# Altium PCB Ixora.PcbDoc (part 4 of 13) (continued)
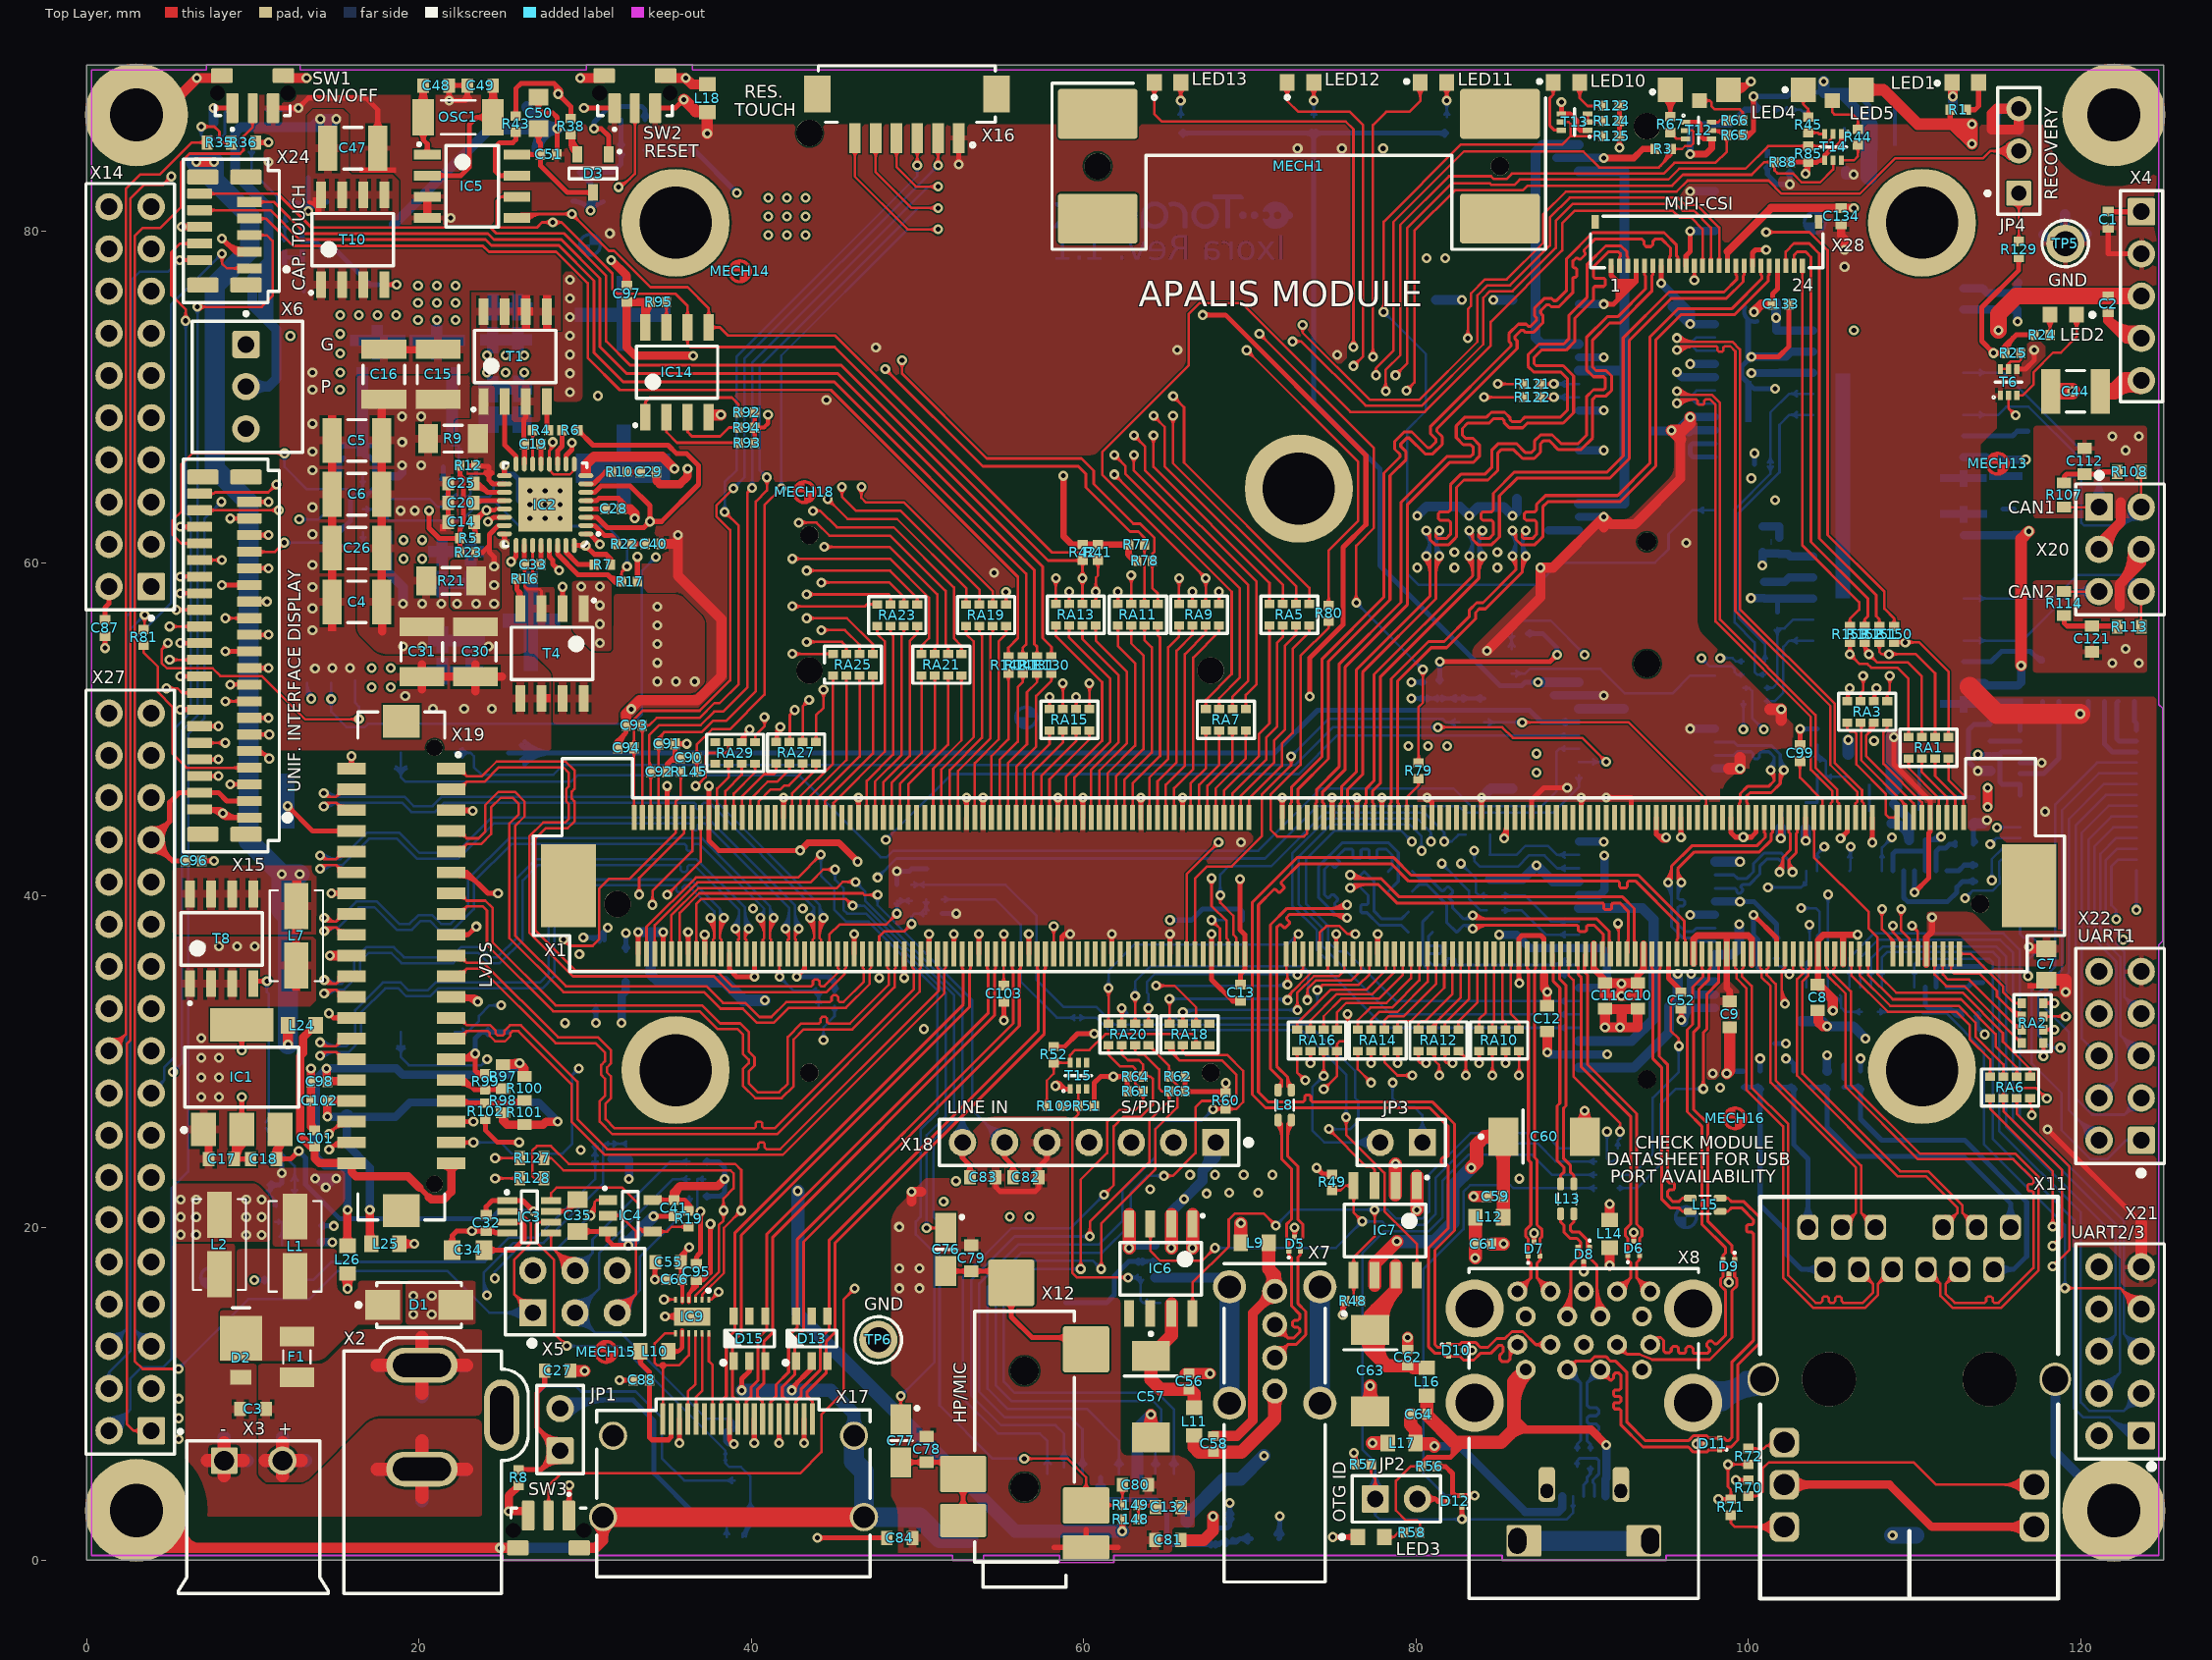
[diagram p0: Top Layer view]
## Nets (pads, with @x,y where several pads share a name; then routed paths per layer and width w, separated by ;. In a path a pad name is that pad's centre, name@x,y a point inside that pad or via, vN(x,y) a via of type N, cw(c..) or ccw(c..) an arc to the next point about the centre after c; other vN are vias at no path point) (continued)
CSI_D1_P: X1.151 X28.6 | length 56
  Top Layer w0.18: X1.151@75.45,44.7 75.45,45.542 75.515,45.607 75.515,46.549 76.414,47.448 76.414,53.595 80.834,58.014 ; v1@80.475,60.278 cw(c79.61,59.413) 80.834,59.413 ; v1@80.561,61.82 cw(c80.446,61.449) 80.834,61.449 ; v1@80.603,60.405 cw(c80.044,59.847) 80.834,59.847 ; v1@80.615,61.941 cw(c80.522,61.643) 80.834,61.643 ; v1(80.624,60.427) 80.834,60.217 80.834,58.014 ; v1(80.624,61.969) 80.834,61.759 80.834,61.438 81.149,61.123 81.973,61.123 82.336,61.486 82.444,61.594 82.444,64.573 82.881,65.01 84.329,65.01 84.927,65.607 84.927,66.649 85.116,66.838 85.888,66.838 86.415,66.311 87.113,66.311 87.494,66.692 87.494,67.201 87.658,67.365 88.049,67.365 88.576,66.838 89.917,66.838 90.627,67.549 90.627,69.875 90.83,70.079 91.44,70.079 91.77,70.409 91.77,71.272 91.44,71.603 90.83,71.603 90.627,71.806 90.627,73.442 91.658,74.473 92.293,74.473 94.185,76.364 94.185,77.303 94.25,77.368 X28.6@94.25,77.905
  Bottom Layer w0.18: v1@80.475,60.575 ccw(c79.61,61.441) 80.834,61.441 ; v1@80.475,61.821 cw(c79.61,60.955) 80.834,60.955 ; v1@80.603,60.448 ccw(c80.044,61.006) 80.834,61.006 ; v1@80.603,61.948 cw(c80.044,61.39) 80.834,61.39 ; v1(80.624,60.427) 80.834,60.637 80.834,61.759 v1(80.624,61.969)
CSI_D2_N: X1.143 X28.16 | length 55.8
  Top Layer w0.18: X1.143@77.45,44.7 77.45,45.542 77.385,45.607 77.385,46.295 77.851,46.761 77.851,53.162 83.784,59.095 83.784,60.217 v1(83.994,60.427) ; 83.784,59.413 cw(c85.008,59.413) v1@84.142,60.278 ; 83.784,59.847 cw(c84.573,59.847) v1@84.015,60.405 ; 83.784,61.588 cw(c84.006,61.588) v1@84,61.81 ; 83.784,61.722 cw(c84.001,61.722) v1@83.994,61.939 ; v1(83.994,61.969) 83.784,61.759 83.784,61.592 83.882,61.493 84.4,61.493 84.654,61.747 84.654,62.486 84.551,62.589 84.023,62.589 83.921,62.691 83.921,63 84.023,63.103 84.551,63.103 84.654,63.206 84.654,64.222 85.927,65.496 91.505,65.496 92.467,66.457 92.467,73.569 95.225,76.327 98.537,76.327 99.315,77.105 99.315,77.31 99.25,77.375 X28.16@99.25,77.905
  Bottom Layer w0.18: 83.784,60.955 cw(c85.008,60.955) v1@84.142,61.821 ; 83.784,61.006 ccw(c84.573,61.006) v1@84.015,60.448 ; 83.784,61.39 cw(c84.573,61.39) v1@84.015,61.948 ; 83.784,61.441 ccw(c85.008,61.441) v1@84.142,60.575 ; v1(83.994,60.427) 83.784,60.637 83.784,61.759 v1(83.994,61.969)
CSI_D2_P: X1.145 X28.17 | length 56
  Top Layer w0.18: X1.145@76.95,44.7 76.95,45.542 77.015,45.607 77.015,46.449 77.481,46.915 77.481,53.315 83.414,59.248 83.414,60.217 v1(83.204,60.427) ; v1@83.055,60.278 cw(c82.19,59.413) 83.414,59.413 ; v1@83.141,61.82 cw(c83.026,61.449) 83.414,61.449 ; v1@83.182,60.405 cw(c82.624,59.847) 83.414,59.847 ; v1@83.195,61.941 cw(c83.102,61.643) 83.414,61.643 ; v1(83.204,61.969) 83.414,61.759 83.414,61.438 83.729,61.123 84.553,61.123 84.916,61.486 85.024,61.594 85.024,64.069 86.081,65.126 91.658,65.126 92.837,66.304 92.837,73.416 95.378,75.957 98.69,75.957 99.685,76.952 99.685,77.31 99.75,77.375 X28.17@99.75,77.905
  Bottom Layer w0.18: v1@83.055,60.575 ccw(c82.19,61.441) 83.414,61.441 ; v1@83.055,61.821 cw(c82.19,60.955) 83.414,60.955 ; v1@83.182,60.448 ccw(c82.624,61.006) 83.414,61.006 ; v1@83.182,61.948 cw(c82.624,61.39) 83.414,61.39 ; v1(83.204,60.427) 83.414,60.637 83.414,61.759 v1(83.204,61.969)
CSI_D3_N: X1.137 X28.19 | length 55.8
  Top Layer w0.18: X1.137@78.95,44.7 78.95,45.542 78.885,45.607 78.885,52.901 80.91,54.926 81.85,54.926 83.587,56.663 83.587,57.044 83.803,57.26 84.184,57.26 86.389,59.465 86.389,60.217 v1(86.599,60.427) ; 86.389,59.468 cw(c87.542,59.468) v1@86.744,60.3 ; 86.389,59.864 cw(c87.138,59.864) v1@86.62,60.405 ; 86.389,61.588 cw(c86.611,61.588) v1@86.605,61.81 ; 86.389,61.722 cw(c86.606,61.722) v1@86.6,61.939 ; v1(86.599,61.969) 86.389,61.759 86.389,61.592 86.487,61.493 87.005,61.493 87.259,61.747 87.259,62.486 87.156,62.589 86.629,62.589 86.526,62.691 86.526,63 86.629,63.103 87.156,63.103 87.259,63.206 87.259,63.551 87.793,64.084 92.136,64.084 94.067,66.015 94.067,73.61 95.794,75.336 99.019,75.336 100.815,77.132 100.815,77.31 100.75,77.375 X28.19@100.75,77.905
  Bottom Layer w0.18: 86.389,60.955 cw(c87.613,60.955) v1@86.747,61.821 ; 86.389,61.006 ccw(c87.178,61.006) v1@86.62,60.448 ; 86.389,61.39 cw(c87.178,61.39) v1@86.62,61.948 ; 86.389,61.441 ccw(c87.613,61.441) v1@86.747,60.575 ; v1(86.599,60.427) 86.389,60.637 86.389,61.759 v1(86.599,61.969)
CSI_D3_P: X1.139 X28.20 | length 55.7
  Top Layer w0.18: X1.139@78.45,44.7 78.45,45.542 78.515,45.607 78.515,53.054 80.757,55.296 81.697,55.296 83.217,56.816 83.217,57.197 83.65,57.63 84.031,57.63 86.019,59.618 86.019,60.217 v1(85.809,60.427) ; v1@85.684,60.283 cw(c85.188,59.617) 86.019,59.617 ; v1@85.746,61.819 cw(c85.631,61.449) 86.019,61.449 ; v1@85.791,60.403 cw(c85.454,59.949) 86.019,59.949 ; v1@85.8,61.941 cw(c85.707,61.643) 86.019,61.643 ; v1(85.809,61.969) 86.019,61.759 86.019,61.438 86.334,61.123 87.158,61.123 87.521,61.486 87.629,61.594 87.629,63.398 87.946,63.714 92.289,63.714 94.437,65.862 94.437,73.457 95.947,74.966 99.173,74.966 101.185,76.979 101.185,77.31 101.25,77.375 X28.20@101.25,77.905
  Bottom Layer w0.18: v1@85.66,60.575 ccw(c84.795,61.441) 86.019,61.441 ; v1@85.66,61.821 cw(c84.795,60.955) 86.019,60.955 ; v1@85.788,60.448 ccw(c85.229,61.006) 86.019,61.006 ; v1@85.788,61.948 cw(c85.229,61.39) 86.019,61.39 ; v1(85.809,60.427) 86.019,60.637 86.019,61.759 v1(85.809,61.969)
CSI_GPIO0_RST: R150.1 X28.11 | length 39.3
  Top Layer w0.15: v1@96.591,77.2 ccw(c96.207,77.584) 96.75,77.584 ccw(c97.293,77.584) v1@96.909,77.2 ; X28.11@96.697,77.577 cw(c96.569,77.449) 96.75,77.449 cw(c96.931,77.449) X28.11@96.803,77.577 ; v1(96.75,77.041) X28.11@96.75,77.905
  Top Layer w0.165: v1(101.067,79.934) 103.683,79.934 104.767,78.85 104.767,61.716 108.188,58.295 108.188,57.28 108.776,56.692 ; v1@101.22,79.78 cw(c101.592,79.409) 101.592,79.934 cw(c101.592,80.459) v1@101.22,80.088 ; R150.1@108.633,56.348 ccw(c108.29,56.692) 108.776,56.692 ; R150.1@108.776,56.205 108.776,56.692 ; R150.1@108.918,56.348 cw(c109.261,56.692) 108.776,56.692
  Mid-Layer 1 w0.15: v1(96.75,77.041) 99.643,79.934 v1(101.067,79.934) ; v1@96.75,77.266 ccw(c96.75,77.809) 97.134,77.425 ccw(c97.518,77.041) v1@96.975,77.041 ; v1@100.908,79.775 ccw(c100.523,79.391) 100.523,79.934 ccw(c100.523,80.477) v1@100.908,80.093
CSI_GPIO1: R151.1 X28.22 | length 28.1
  Top Layer w0.165: X28.22@102.202,78.279 ccw(c102.087,78.394) 102.25,78.394 ccw(c102.413,78.394) X28.22@102.298,78.279 ; X28.22@102.25,77.905 102.25,78.755 102.743,79.248 103.661,79.248 104.267,78.642 104.267,61.509 107.688,58.088 107.688,56.823 107.887,56.624 ; R151.1@107.761,56.364 ccw(c107.554,56.624) 107.887,56.624 ; R151.1@107.887,56.205 107.887,56.624 ; R151.1@108.012,56.364 cw(c108.219,56.624) 107.887,56.624
CSI_GPIO2: R152.1 X28.23 | length 26.5
  Top Layer w0.165: X28.23@102.702,78.279 ccw(c102.587,78.394) 102.75,78.394 ccw(c102.913,78.394) X28.23@102.798,78.279 ; X28.23@102.75,77.905 102.75,78.548 102.95,78.748 103.454,78.748 103.767,78.435 103.767,61.302 107.188,57.881 107.188,56.815 106.998,56.624 ; R152.1@106.872,56.364 ccw(c106.665,56.624) 106.998,56.624 ; R152.1@106.998,56.205 106.998,56.624 ; R152.1@107.123,56.364 cw(c107.33,56.624) 106.998,56.624
CSI_GPIO3: R153.1 X28.24 | length 24.3
  Top Layer w0.165: X28.24@103.202,77.531 cw(c103.087,77.416) 103.25,77.416 cw(c103.413,77.416) X28.24@103.298,77.531 ; X28.24@103.25,77.905 103.25,61.088 106.671,57.667 106.671,57.225 106.109,56.662 ; R153.1@105.972,56.355 ccw(c105.693,56.662) 106.109,56.662 ; R153.1@106.109,56.205 106.109,56.662 ; R153.1@106.245,56.355 cw(c106.524,56.662) 106.109,56.662
ETH1_ACT: C69.2 R70.1 X1.42 | length 43.7
  Top Layer w0.15: v1(99.25,4.83) R70.1@100,4.83 ; v1@99.442,4.713 cw(c99.584,4.627) 99.627,4.787 cw(c99.699,5.055) v1@99.451,4.931 ; v1@99.442,4.947 ccw(c99.584,5.033) 99.627,4.873 ccw(c99.699,4.605) v1@99.451,4.729 ; R70.1@99.79,4.731 ccw(c99.522,4.588) 99.6,4.882 ccw(c99.65,5.068) R70.1@99.805,4.954 ; R70.1@99.79,4.929 cw(c99.522,5.072) 99.6,4.778 cw(c99.65,4.592) R70.1@99.805,4.706 ; R70.1@99.827,4.682 ccw(c99.468,4.323) 99.468,4.83 ccw(c99.468,5.337) R70.1@99.827,4.979 ; v1(102.475,35.28) 102.7,35.505 ; v1@102.572,35.483 ccw(c102.62,35.585) 102.7,35.505 ; v1@102.678,35.377 cw(c102.78,35.426) 102.7,35.505 ; X1.42@102.7,36.5 102.7,35.505 ; R70.1@99.793,4.83 ccw(c99.793,4.287) 99.409,4.671 cw(c99.793,4.287) R70.1@99.793,4.83 ; R70.1@99.793,4.83 cw(c99.793,5.373) 99.409,4.989 ccw(c99.793,5.373) R70.1@99.793,4.83
  Mid-Layer 2 w0.15: v1@99.174,4.979 ccw(c99.174,5.522) 99.558,5.138 ccw(c99.942,4.754) v1@99.399,4.754 ; v1(99.25,4.83) 99.568,5.148 99.568,14.068 102.725,17.225 102.725,34.664 ; v1@102.389,35.084 cw(c102.251,34.629) 102.669,34.854 ; v1(102.475,35.28) 102.72,35.035 ; v1@102.667,35.331 cw(c102.171,35.09) 102.72,35.035 ; 102.669,34.854 cw(c102.251,34.629) 102.725,34.664 ; 102.669,34.854 ccw(c102.171,35.09) 102.72,35.035 ; 102.72,35.035 102.725,35.03 102.725,34.664
  Bottom Layer w0.15: C69.2@101.547,36.226 cw(c101.253,35.9) 101.691,35.9 ; C69.2@101.691,36.385 101.691,35.9 ; C69.2@101.836,36.226 ccw(c102.13,35.9) 101.691,35.9 ; v1@102.25,35.28 ccw(c101.707,35.28) 102.091,35.664 ccw(c102.475,36.048) v1@102.475,35.505 ; v1(102.475,35.28) 102.005,35.75 101.842,35.75 101.691,35.9
ETH1_ACT_C: R70.2 X11.13 | length 27.8
  Top Layer w0.15: R70.2@100,3.87 100.6,3.87 100.85,4.12 100.85,5.51 101.24,5.9 109.946,5.9 111.296,4.55 X11.13@117.2,4.55 ; R70.2@100.173,3.722 cw(c100.532,3.363) 100.532,3.87 cw(c100.532,4.377) R70.2@100.173,4.018 ; X11.13@116.624,3.974 ccw(c115.235,2.585) 115.235,4.55 ccw(c115.235,6.515) X11.13@116.624,5.126 ; X11.13@116.73,4.081 ccw(c115.597,2.947) 115.597,4.55 ccw(c115.597,6.153) X11.13@116.73,5.02 ; X11.13@116.837,4.187 ccw(c115.959,3.309) 115.959,4.55 ccw(c115.959,5.791) X11.13@116.837,4.913
ETH1_CTREF: L20.1 X1.46 | length 7.3
  Top Layer w0.3: v1@100.3,38.7 cw(c100.3,38.338) 100.556,38.594 cw(c100.812,38.85) v1@100.45,38.85 ; v1(100.3,38.85) 101.7,37.45 X1.46@101.7,36.5
  Bottom Layer w0.3: v1@100.194,38.744 cw(c99.938,38.488) 100.3,38.488 cw(c100.662,38.488) v1@100.406,38.744 ; v1(100.3,38.85) 100.3,37.626 100.576,37.35 L20.1@100.576,35.69
ETH1_CTREF_0: C70.2 R73.2 X11.12 | length 13.2
  Bottom Layer w0.3: R73.2@101.714,28.475 102.706,28.475 C70.2@102.721,28.46 102.721,25.029 103.586,24.164 X11.12@103.586,20.044 ; R73.2@101.835,28.38 cw(c102.065,28.149) 102.065,28.475 cw(c102.065,28.801) R73.2@101.835,28.57 ; 102.307,28.475 cw(c102.307,28.086) C70.2@102.582,28.361 ; 102.38,28.475 ccw(c102.38,28.762) C70.2@102.582,28.559 ; C70.2@102.622,28.361 cw(c102.383,28.122) 102.721,28.122 cw(c103.059,28.122) C70.2@102.82,28.361 ; X11.12@103.243,20.514 ccw(c102.415,21.342) 103.586,21.342 ccw(c104.757,21.342) X11.12@103.929,20.514
ETH1_CTREF_1: C71.2 R74.2 X11.6 | length 17.8
  Bottom Layer w0.3: R74.2@99.7,28.475 100.692,28.475 C71.2@100.707,28.46 100.707,21.385 102.288,19.804 102.288,18.421 103.205,17.504 X11.6@104.602,17.504 ; R74.2@99.82,28.38 cw(c100.051,28.149) 100.051,28.475 cw(c100.051,28.801) R74.2@99.82,28.57 ; 100.293,28.475 cw(c100.293,28.086) C71.2@100.568,28.361 ; 100.365,28.475 ccw(c100.365,28.762) C71.2@100.568,28.559 ; C71.2@100.608,28.361 cw(c100.369,28.122) 100.707,28.122 cw(c101.045,28.122) C71.2@100.806,28.361 ; X11.6@104.259,17.161 ccw(c103.431,16.333) 103.431,17.504 ccw(c103.431,18.675) X11.6@104.259,17.847
ETH1_CTREF_2: C74.2 R75.2 X11.1 | length 23.5
  Bottom Layer w0.3: R75.2@105.743,28.475 106.735,28.475 C74.2@106.75,28.46 106.75,26.555 108.025,25.28 113.023,25.28 116.75,21.553 116.75,18.3 115.954,17.504 X11.1@114.762,17.504 ; 106.336,28.475 cw(c106.336,28.086) C74.2@106.611,28.361 ; 106.408,28.475 ccw(c106.408,28.762) C74.2@106.611,28.559 ; C74.2@106.651,28.361 cw(c106.412,28.122) 106.75,28.122 cw(c107.088,28.122) C74.2@106.849,28.361 ; X11.1@115.105,17.161 cw(c115.933,16.333) 115.933,17.504 cw(c115.933,18.675) X11.1@115.105,17.847
ETH1_CTREF_3: C75.2 R76.2 X11.7 | length 21.2
  Bottom Layer w0.3: R76.2@103.729,28.475 104.721,28.475 C75.2@104.736,28.46 104.736,26.064 106.5,24.3 112.962,24.3 115.778,21.484 X11.7@115.778,20.044 ; R76.2@103.849,28.38 cw(c104.079,28.149) 104.079,28.475 cw(c104.079,28.801) R76.2@103.849,28.57 ; 104.321,28.475 cw(c104.321,28.086) C75.2@104.597,28.361 ; 104.394,28.475 ccw(c104.394,28.762) C75.2@104.597,28.559 ; C75.2@104.637,28.361 cw(c104.398,28.122) 104.736,28.122 cw(c105.074,28.122) C75.2@104.835,28.361 ; X11.7@115.435,20.514 ccw(c114.607,21.342) 115.778,21.342 ccw(c116.949,21.342) X11.7@116.121,20.514
ETH1_CTREF_ALL: C72.1 C73.2 L20.2 R73.1 R74.1 R75.1 R76.1 | length 1.2
  Bottom Layer w0.3: 99.29,29.43 99.295,29.435 R74.1@99.7,29.435 ; 105.743,29.01 R75.1@105.743,29.435 105.743,29.805
ETH1_LINK: R71.1 R72.1 X1.44 | length 46.2
  Top Layer w0.15: v1(98.2,3.68) R71.1@98.95,3.68 98.95,4.258 98.775,4.433 v1(98.775,5.77) R72.1@100,5.77 ; v1@98.359,3.521 cw(c98.743,3.137) 98.743,3.68 cw(c98.743,4.223) v1@98.359,3.839 ; v1@98.616,5.611 cw(c98.232,5.227) 98.775,5.227 cw(c99.318,5.227) 98.934,5.611 cw(c99.318,5.227) 99.318,5.77 cw(c99.318,6.313) v1@98.934,5.929 ; R71.1@98.74,3.581 ccw(c98.472,3.438) 98.55,3.732 ccw(c98.6,3.918) R71.1@98.756,3.804 ; R71.1@98.74,3.779 cw(c98.472,3.922) 98.55,3.628 cw(c98.6,3.442) R71.1@98.756,3.556 ; R71.1@98.777,3.532 ccw(c98.418,3.173) 98.418,3.68 ccw(c98.418,4.187) R71.1@98.777,3.828 ; R71.1@98.802,3.828 ccw(c98.443,4.187) 98.95,4.187 ccw(c99.457,4.187) R71.1@99.099,3.828 ; R72.1@99.827,5.621 ccw(c99.468,5.263) 99.468,5.77 ccw(c99.468,6.277) R72.1@99.827,5.918 ; 102,33.801 ccw(c102.501,33.801) v1@102.147,33.447 ; 102,34.163 ccw(c102.863,34.163) v1@102.253,33.553 ; 102,34.525 ccw(c103.225,34.525) v1@102.359,33.659 ; v1@102.2,33.404 v1(102.2,33.5) 102,33.7 102,35.477 102.2,35.677 X1.44@102.2,36.5
  Mid-Layer 2 w0.15: v1@98.616,5.929 ccw(c98.232,6.313) 98.775,6.313 ccw(c99.318,6.313) v1@98.934,5.929 ; v1(98.775,5.77) 98.775,14.475 101.775,17.475 101.775,31.55 102.2,31.975 v1(102.2,33.5) ; v1@102.041,33.341 cw(c101.657,32.957) 102.2,32.957 cw(c102.743,32.957) v1@102.359,33.341
ETH1_LINK_C: R71.2 X11.17 | length 12
  Top Layer w0.15: R71.2@98.81,2.564 cw(c98.529,2.25) 98.95,2.25 ; R71.2@98.95,2.72 98.95,2.25 ; R71.2@99.09,2.564 ccw(c99.371,2.25) 98.95,2.25 ; X11.17@101.588,1.434 ccw(c100.198,0.045) 100.198,2.01 ccw(c100.198,3.975) X11.17@101.588,2.586 ; X11.17@101.694,1.541 ccw(c100.56,0.407) 100.56,2.01 ccw(c100.56,3.613) X11.17@101.694,2.48 ; X11.17@101.8,1.647 ccw(c100.922,0.769) 100.922,2.01 ccw(c100.922,3.251) X11.17@101.8,2.373 ; X11.17@102.163,2.01 99.19,2.01 98.95,2.25
ETH1_LINK_GB: R72.2 X11.15 | length 4.3
  Top Layer w0.15: R72.2@100,6.73 100.926,6.73 101.086,6.89 ; R72.2@100.173,6.582 cw(c100.532,6.223) 100.532,6.73 cw(c100.532,7.237) R72.2@100.173,6.878 ; 101.245,6.89 ccw(c101.245,7.146) X11.15@101.5,7.13 ; X11.15@101.351,7.139 cw(c101.086,7.156) 101.086,6.89 ; X11.15@101.463,6.675 ccw(c101.086,6.452) 101.086,6.89 ; X11.15@102.163,6.89 101.086,6.89
ETH1_MDI0_N: X1.48 X11.10 | length 21.9
  Top Layer w0.15: X1.48@101.2,36.5 101.2,35.661 101.107,35.568 101.107,35.227 101.651,34.684 101.651,28.893 106.791,23.753 106.791,20.903 ; 106.975,20.719 ccw(c107.39,21.135) X11.10@107.543,20.567 ; 107.045,20.649 cw(c106.574,20.178) X11.10@107.24,20.174 ; X11.10@107.09,20.175 ccw(c106.071,20.182) 106.791,20.902 ; X11.10@107.504,20.712 cw(c107.313,21.424) 106.791,20.902 ; X11.10@107.65,20.044 106.791,20.903
ETH1_MDI0_P: X1.50 X11.11 | length 21.9
  Top Layer w0.15: X1.50@100.7,36.5 100.7,35.661 100.792,35.568 100.792,35.097 101.336,34.554 101.336,28.763 106.476,23.623 106.476,20.903 ; X11.11@105.618,20.044 106.476,20.903 ; X11.11@105.724,20.567 ccw(c105.877,21.135) 106.293,20.719 ; X11.11@105.763,20.712 ccw(c105.955,21.424) 106.476,20.902 ; X11.11@106.028,20.174 cw(c106.693,20.178) 106.222,20.649 ; X11.11@106.178,20.175 cw(c107.197,20.182) 106.476,20.902
ETH1_MDI1_N: X1.54 X11.5 | length 32.1
  Top Layer w0.15: X1.54@99.7,36.5 99.7,35.661 99.607,35.568 99.607,35.15 100.194,34.563 100.194,28.456 102.4,26.25 102.4,17.145 104.045,15.5 104.35,15.5 104.448,15.598 104.448,15.778 104.545,15.875 104.74,15.875 104.837,15.778 104.837,15.598 104.935,15.5 105.13,15.5 105.227,15.598 105.227,15.778 105.325,15.875 105.52,15.875 105.617,15.778 105.617,15.598 105.715,15.5 106.892,15.5 107.492,16.1 107.492,16.646 ; X11.5@106.634,17.504 107.492,16.646 ; X11.5@106.74,16.981 cw(c106.893,16.413) 107.309,16.829 ; X11.5@106.779,16.836 cw(c106.971,16.124) 107.492,16.646 ; X11.5@107.044,17.374 ccw(c107.709,17.37) 107.238,16.899 ; X11.5@107.194,17.373 ccw(c108.213,17.366) 107.492,16.646
ETH1_MDI1_P: X1.56 X11.4 | length 32.1
  Top Layer w0.15: X1.56@99.2,36.5 99.2,35.661 99.292,35.568 99.292,35.02 99.879,34.433 99.879,28.325 102.085,26.12 102.085,17.015 103.915,15.185 107.023,15.185 107.807,15.97 107.807,16.646 ; 107.991,16.829 cw(c108.406,16.413) X11.4@108.559,16.981 ; 108.061,16.899 ccw(c107.59,17.37) X11.4@108.256,17.374 ; X11.4@108.106,17.373 cw(c107.087,17.366) 107.807,16.646 ; X11.4@108.52,16.836 ccw(c108.329,16.124) 107.807,16.646 ; X11.4@108.666,17.504 107.807,16.646
ETH1_MDI2_N: X1.34 X11.2 | length 39.4
  Top Layer w0.15: X1.34@104.7,36.5 104.7,35.661 104.792,35.568 104.792,35.162 105.85,34.104 105.85,28.505 110.209,24.145 115.948,24.145 117.15,22.943 117.15,22.725 117.069,22.644 116.877,22.644 116.796,22.563 116.796,22.321 116.877,22.24 117.069,22.24 117.15,22.159 117.15,17.595 115.055,15.5 114.8,15.5 114.702,15.598 114.702,15.779 114.605,15.877 114.41,15.877 114.312,15.779 114.312,15.598 114.215,15.5 112.421,15.5 111.871,16.05 111.871,16.646 ; 112.055,16.829 cw(c112.47,16.413) X11.2@112.623,16.981 ; 112.125,16.899 ccw(c111.654,17.37) X11.2@112.32,17.374 ; X11.2@112.17,17.373 cw(c111.151,17.366) 111.871,16.646 ; X11.2@112.584,16.836 ccw(c112.393,16.124) 111.871,16.646 ; X11.2@112.73,17.504 111.871,16.646
ETH1_MDI2_P: X1.32 X11.3 | length 39.4
  Top Layer w0.15: X1.32@105.2,36.5 105.2,35.661 105.107,35.568 105.107,35.292 106.165,34.235 106.165,28.635 110.34,24.46 116.078,24.46 117.465,23.073 117.465,17.465 115.185,15.185 112.291,15.185 111.556,15.92 111.556,16.646 ; X11.3@110.698,17.504 111.556,16.646 ; X11.3@110.804,16.981 cw(c110.957,16.413) 111.373,16.829 ; X11.3@110.843,16.836 cw(c111.035,16.124) 111.556,16.646 ; X11.3@111.108,17.374 ccw(c111.773,17.37) 111.302,16.899 ; X11.3@111.258,17.373 ccw(c112.277,17.366) 111.556,16.646
ETH1_MDI3_N: X1.40 X11.9 | length 24.7
  Top Layer w0.15: X1.40@103.2,36.5 103.2,35.661 103.292,35.568 103.292,35.336 102.936,34.979 102.936,29.169 109.001,23.104 110.703,23.104 112.572,21.235 112.572,20.903 ; X11.9@111.714,20.044 112.572,20.903 ; X11.9@111.82,20.567 ccw(c111.973,21.135) 112.389,20.719 ; X11.9@111.859,20.712 ccw(c112.051,21.424) 112.572,20.902 ; X11.9@112.124,20.174 cw(c112.789,20.178) 112.318,20.649 ; X11.9@112.274,20.175 cw(c113.293,20.182) 112.572,20.902
ETH1_MDI3_P: X1.38 X11.8 | length 24.7
  Top Layer w0.15: X1.38@103.7,36.5 103.7,35.661 103.607,35.568 103.607,35.205 103.251,34.849 103.251,29.299 109.131,23.419 110.834,23.419 112.887,21.366 112.887,20.903 ; 113.071,20.719 ccw(c113.486,21.135) X11.8@113.639,20.567 ; 113.141,20.649 cw(c112.67,20.178) X11.8@113.336,20.174 ; X11.8@113.186,20.175 ccw(c112.167,20.182) 112.887,20.902 ; X11.8@113.6,20.712 cw(c113.409,21.424) 112.887,20.902 ; X11.8@113.746,20.044 112.887,20.903
FACTORY_DEFAULT#: R91.1 X1.186 | length 29.5
  Top Layer w0.15: X1.186@66.7,36.5 66.7,41.021 67.437,41.758 68.91,41.758 70.739,43.586 70.739,46.101 72.492,47.854 v1(72.492,48.387) ; v1@72.333,48.228 cw(c71.948,47.844) 72.492,47.844 cw(c73.035,47.844) v1@72.651,48.228 ; 66.7,37.306 cw(c66.519,37.306) 66.647,37.178 ccw(c66.519,37.306) 66.7,37.306 ; 66.7,37.306 ccw(c66.881,37.306) 66.753,37.178 cw(c66.881,37.306) 66.7,37.306
  Bottom Layer w0.15: v1(72.492,48.387) 74.752,50.648 81.61,50.648 81.833,50.425 R91.1@82.6,50.425 ; v1@72.492,48.612 ccw(c72.492,49.155) 72.876,48.771 ccw(c73.26,48.387) v1@72.717,48.387 ; R91.1@82.323,50.248 ccw(c81.896,49.821) 81.896,50.425 ccw(c81.896,51.029) R91.1@82.323,50.602
FAN_EN: R35.1 R36.2 R37.1 T11.1 | length 11
  Top Layer w0.165: v1@6.852,86.286 v1(6.903,86.286) 7.694,86.286 8.001,85.979 8.001,85.522 8.194,85.329 ; v1@7.057,86.133 cw(c7.428,85.761) 7.428,86.286 cw(c7.428,86.811) v1@7.057,86.44 ; R35.1@8.539,85.171 ccw(c8.194,84.874) 8.194,85.329 ; R35.1@8.539,85.487 cw(c8.194,85.784) 8.194,85.329 ; R35.1@8.723,85.329 8.194,85.329
  Bottom Layer w0.165: v1@6.749,86.133 cw(c6.378,85.761) 6.903,85.761 cw(c7.428,85.761) v1@7.057,86.133 ; v1(6.903,86.286) 6.903,85.756 7.084,85.575 R37.1@7.65,85.575 8.073,85.575 ; R37.1@7.482,85.432 ccw(c7.136,85.086) 7.136,85.575 ccw(c7.136,86.064) R37.1@7.482,85.718 ; R37.1@7.839,85.456 cw(c8.073,85.285) 8.073,85.575 ; R37.1@7.839,85.695 ccw(c8.073,85.866) 8.073,85.575 ; T11.1@8.814,87.169 ccw(c8.518,86.923) 8.518,87.308 ; T11.1@8.814,87.447 cw(c8.518,87.694) 8.518,87.308 ; T11.1@8.905,87.308 8.518,87.308 ; 8.073,85.575 8.331,85.833 8.331,87.122 8.518,87.308
FAN_EN#: C46.1 D16.2 R34.2 T10.4 | length 9.7
  Top Layer w0.3: T10.4@17.932,76.777 v1(18.669,76.777) ; v1@18.563,76.671 ccw(c18.307,76.414) 18.307,76.777 ccw(c18.307,77.139) v1@18.563,76.883
  Bottom Layer w0.3: R34.2@12.901,80.416 12.901,79.936 12.979,79.858 C46.1@12.979,79.39 13.777,79.39 14.354,78.814 15.053,78.814 17.09,76.777 v1(18.669,76.777) ; v1@18.555,76.678 ccw(c18.316,76.439) 18.316,76.777 ccw(c18.316,77.115) v1@18.555,76.876
FAN_EN_R: R33.1 R34.1 T11.3 | length 9.8
  Bottom Layer w0.165: T11.3@9.778,84.755 cw(c9.406,84.383) 9.931,84.383 cw(c10.456,84.383) T11.3@10.085,84.755 ; T11.3@9.931,85.208 9.931,83.617 11.481,82.067 11.481,81.534 11.941,81.074 R34.1@11.941,80.416 11.941,79.446 R33.1@11.887,79.392 ; R33.1@11.794,79.523 ccw(c11.442,79.876) 11.941,79.876 ; R34.1@11.797,80.248 cw(c11.452,79.903) 11.941,79.903 cw(c12.429,79.903) R34.1@12.084,80.248 ; R34.1@11.797,80.585 ccw(c11.452,80.93) 11.941,80.93 ccw(c12.429,80.93) R34.1@12.084,80.585 ; 11.941,79.862 ccw(c12.419,79.862) R33.1@12.081,79.523
FD/RM_BUTTON#: C100.2 R89.2 R90.1 R91.2 SW3.2 | length 106.3
  Top Layer w0.15: SW3.2@27.643,3.459 ccw(c27.259,3.843) 27.803,3.843 ccw(c28.346,3.843) SW3.2@27.962,3.459 ; SW3.2@27.803,2.7 27.803,4.478 28.557,5.232 42.932,5.232 44.221,6.521 44.221,8.763 45.548,10.09 45.548,15.68 v1(46.228,16.361) ; v1@46.003,16.361 cw(c45.46,16.361) 45.844,15.977 cw(c46.228,15.593) v1@46.228,16.136
  Mid-Layer 2 w0.15: v1(46.228,16.361) 47.298,15.291 53.807,15.291 62.241,23.725 65.597,23.725 66.41,24.538 66.41,26.071 66.043,26.438 66.043,31.779 66.878,32.614 66.878,33.604 64.465,36.017 64.465,43.078 72.161,50.775 78.624,50.775 v1(79.714,51.865) v1@79.816,51.865 ; v1@46.232,16.133 cw(c46.232,15.589) 46.616,15.973 cw(c47,16.358) v1@46.457,16.358 ; v1@79.489,51.865 cw(c78.946,51.865) 79.33,51.481 cw(c79.714,51.097) v1@79.714,51.64
  Bottom Layer w0.254: v1@79.714,51.875 R89.2@81.425,51.875 R91.2@82.6,51.875 R90.1@84.104,51.875 ; v1@79.837,51.743 cw(c80.156,51.423) 80.156,51.875 ; v1@79.837,51.987 ccw(c80.108,52.259) 80.108,51.875 ; 80.057,51.875 cw(c80.057,51.447) C100.2@80.359,51.75 ; 80.105,51.875 ccw(c80.105,52.234) C100.2@80.359,51.98 ; C100.2@80.67,51.75 cw(c80.972,51.447) 80.972,51.875 ; C100.2@80.67,51.98 ccw(c80.924,52.234) 80.924,51.875 ; R89.2@81.289,51.763 ccw(c81.019,51.494) 81.019,51.875 ccw(c81.019,52.256) R89.2@81.289,51.987 ; R89.2@81.562,51.763 cw(c81.832,51.494) 81.832,51.875 cw(c81.832,52.256) R89.2@81.562,51.987 ; R91.2@82.36,51.735 ccw(c82.022,51.397) 82.022,51.875 ccw(c82.022,52.353) R91.2@82.36,52.015 ; R91.2@82.84,51.735 cw(c83.178,51.397) 83.178,51.875 cw(c83.178,52.353) R91.2@82.84,52.015 ; R90.1@83.864,51.735 ccw(c83.526,51.397) 83.526,51.875 ccw(c83.526,52.353) R90.1@83.864,52.015
FORCE_OFF#: IC4.2 R20.1 X5.5 | length 30.3
  Top Layer w0.15: IC4.2@31.375,20.739 32.136,20.739 ; IC4.2@31.791,20.587 cw(c32.136,20.271) 32.136,20.739 ; IC4.2@31.791,20.891 ccw(c32.136,21.207) 32.136,20.739 ; X5.5@31.94,14.9 33.075,16.035 ; X5.5@31.98,15.348 ccw(c32.051,16.151) 32.621,15.581 ccw(c33.191,15.011) X5.5@32.388,14.94 ; X5.5@31.993,15.498 ccw(c32.089,16.567) 32.848,15.808 ccw(c33.607,15.049) X5.5@32.538,14.953 ; X5.5@32.007,15.647 ccw(c32.126,16.984) 33.075,16.035 ; X5.5@32.687,14.967 cw(c34.024,15.086) 33.075,16.035 ; 32.136,20.739 33.075,19.8 33.075,16.035
  Bottom Layer w0.15: X5.5@31.94,14.9 33.31,16.27 33.31,18.273 36.27,21.233 R20.1@36.27,21.906 ; X5.5@31.94,15.35 ccw(c31.94,16.436) 32.708,15.668 ccw(c33.476,14.9) X5.5@32.39,14.9 ; X5.5@31.94,15.5 ccw(c31.94,16.949) 32.964,15.924 ccw(c33.989,14.9) X5.5@32.54,14.9 ; X5.5@31.94,15.65 ccw(c31.94,17.461) 33.22,16.18 ccw(c34.501,14.9) X5.5@32.69,14.9 ; R20.1@36.111,21.747 cw(c35.727,21.362) 36.27,21.362 cw(c36.813,21.362) R20.1@36.429,21.747